# KiCad board Mainboard.kicad_pcb (continued)
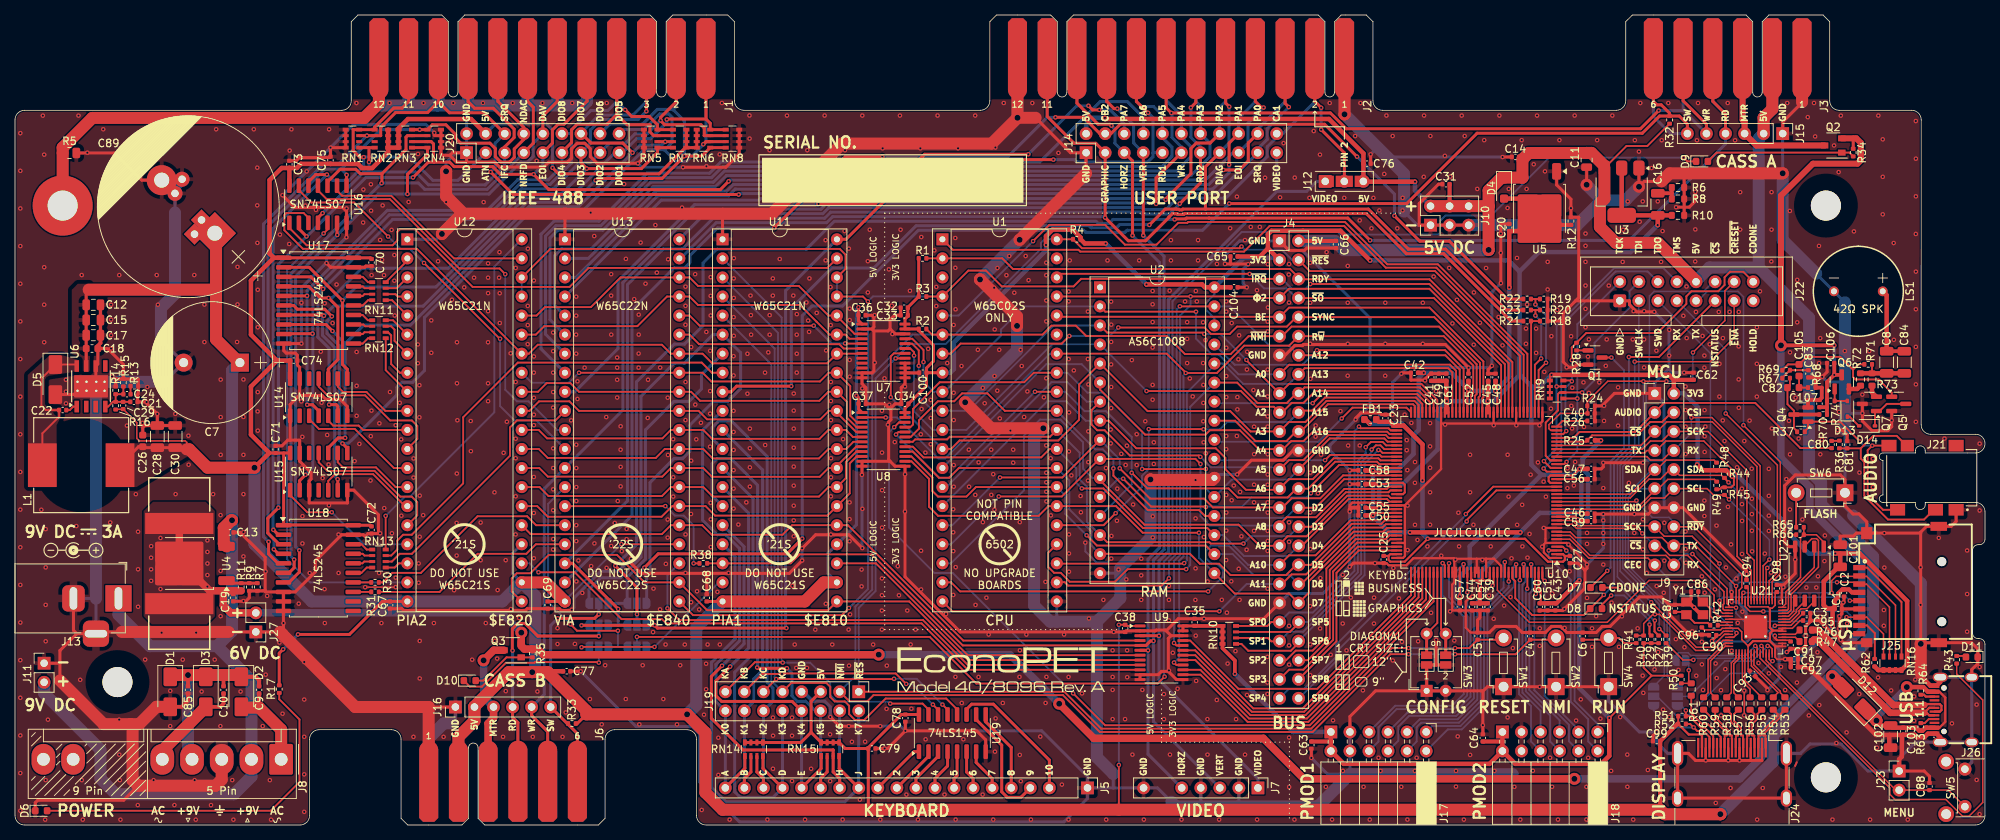
[diagram p0: board, top side]
## Library data of the parts (continued)
D13 D14 = -: Datasheet: https://www.lcsc.com/datasheet/lcsc_datasheet_1810101110_Jiangsu-Changjing-Electronics-Technology-Co---Ltd--1N4148WS_C2128.pdf; Description: 75V 0.15A Fast switching Diode, SOD-323; Sim.Device: D; Sim.Pins: 1=K 2=A; Sim.Params: rs=50m cjo=10p; LCSC: C2128; ki_fp_filters: D*SOD?323*
FB1 = -: Datasheet: https://www.lcsc.com/datasheet/lcsc_datasheet_2310301640_Sunlord-GZ1608D601TF_C1002.pdf; LCSC: C1002; ki_fp_filters: Inductor_* L_* *Ferrite*
H1 = -: ki_fp_filters: MountingHole*Pad*
H2-H4 = -: ki_fp_filters: MountingHole*
HS1 = -: Datasheet: http://www.assmann-wsw.com/uploads/datasheets/ASS_0855_HS.pdf; DIGI-KEY: AE10775-ND; MOUSER: 532-573100D00000G; ki_fp_filters: Heatsink_*
J1-J3 J6 = -: ki_fp_filters: Connector*:*_2x??_*
J4 = -: Datasheet: https://cdn.amphenol-cs.com/media/wysiwyg/files/documentation/datasheet/boardwiretoboard/bwb_econostik_254headers.pdf; MOUSER: 649-1012938195002BLF; ki_fp_filters: Connector*:*_2x??_*
J5 J7 = -: MOUSER: 649-1012937893603BLF; ki_fp_filters: Connector*:*_1x??_*
J8 = -: Datasheet: https://www.te.com/commerce/DocumentDelivery/DDEController?Action=srchrtrv&DocNm=640384&DocType=Customer+Drawing&DocLang=English&PartCntxt=640384-9&DocFormat=pdf; MOUSER: 571-6403849; ki_fp_filters: Connector*:*_1x??_*
J9 J10 J14 J19 J20 = -: MOUSER: 649-1012938195002BLF; ki_fp_filters: Connector*:*_2x??_*
J11 J23 J27 = -: Description: Generic connector, single row, 01x02, script generated; MOUSER: 649-1012937891002BLF; ki_fp_filters: Connector*:*_1x??_*
J12 = -: Description: Generic connector, single row, 01x03, script generated; ki_fp_filters: Connector*:*_1x??_*
J13 = -: Datasheet: https://www.mouser.com/datasheet/2/222/KLDX_0202-334781.pdf; MOUSER: 806-KLDX-0202-B; ki_fp_filters: BarrelJack*
J15 J16 = -: Description: Generic connector, single row, 01x06, script generated; MOUSER: 649-1012937891002BLF; ki_fp_filters: Connector*:*_1x??_*
J17 J18 = -: Datasheet: https://www.we-online.com/components/products/datasheet/613012243121.pdf; MOUSER: 710-613012243121; ki_fp_filters: Connector*:*_2x??_*
J21 = -: Datasheet: https://www.mouser.com/datasheet/2/670/sj_43504_smt_tr-1779335.pdf; Alt-LCSC: C319101; MOUSER: 490-SJ-43504-SMT-TR
J22 = -: Datasheet: https://www.mouser.com/datasheet/2/445/61201621621-3087709.pdf; MOUSER: 710-61201621621; ki_fp_filters: Connector*:*_2x??_*
J24 = -: Datasheet: https://www.lcsc.com/datasheet/lcsc_datasheet_1811111311_BOOMELE-Boom-Precision-Elec-HDMI-001-19P_C138388.pdf; LCSC: C138388; ki_fp_filters: HDMI*A*
J25 = -: Datasheet: https://www.lcsc.com/datasheet/lcsc_datasheet_1912111437_SHOU-HAN-TF-PUSH_C393941.pdf; Description: Micro SD Card Socket with one card detection pin; LCSC: C393941; ki_fp_filters: microSD*
J26 = -: Datasheet: https://jlcpcb.com/api/file/downloadByFileSystemAccessId/8550723676069908480; LCSC: C165948; ki_fp_filters: USB*C*Receptacle*
JP1-JP9 = -: ki_fp_filters: SolderJumper*Open*
L1 = -: Datasheet: https://wmsc.lcsc.com/wmsc/upload/file/pdf/v2/lcsc/2111241930_SXN-Shun-Xiang-Nuo-Elec-SMDRI129-220MT_C2924827.pdf; Description: Inductor, small symbol; LCSC: C2924827; ki_fp_filters: Choke_* *Coil* Inductor_* L_*
LS1 = -: Datasheet: https://www.mouser.com/datasheet/2/334/AT-1220-TT-9-R-532252.pdf; MOUSER: 665-AT1220TT9R
Q1 = -: Datasheet: https://jlcpcb.com/api/file/downloadByFileSystemAccessId/8552894390268936192; Description: 0.2A Ic, 40V Vce, Small Signal NPN Transistor, SOT-23; LCSC: C20526; ki_fp_filters: SOT?23*
Q2 Q3 = -: Datasheet: https://jlcpcb.com/api/file/downloadByFileSystemAccessId/8553305450243108864; Description: -4.0A Id, -30V Vds, P-Channel MOSFET, SOT-23; LCSC: C15127; ki_fp_filters: SOT?23*
Q4-Q6 = -: Datasheet: https://www.lcsc.com/datasheet/lcsc_datasheet_2303221100_Jiangsu-Changjing-Electronics-Technology-Co---Ltd--SS8050-RANGE-200-350_C2150.pdf; Description: General Purpose NPN Transistor, 1.5A Ic, 25V Vce, SOT-23; LCSC: C2150; ki_fp_filters: SOT?23*
Q7 = -: Datasheet: https://www.lcsc.com/datasheet/lcsc_datasheet_1810161212_Jiangsu-Changjing-Electronics-Technology-Co---Ltd--SS8550-Y2-RANGE-200-350_C8542.pdf; Description: General Purpose PNP Transistor, 1.5A Ic, 25V Vce, SOT-23; LCSC: C8542; ki_fp_filters: SOT?23*
R1-R4 R40 = -: Datasheet: https://www.lcsc.com/datasheet/lcsc_datasheet_2206010045_UNI-ROYAL-Uniroyal-Elec-0402WGF4701TCE_C25900.pdf; LCSC: C25900; ki_fp_filters: R_*
R5 = -: Datasheet: https://www.lcsc.com/datasheet/lcsc_datasheet_2205311830_UNI-ROYAL-Uniroyal-Elec-0805W8F680JT5E_C17802.pdf; LCSC: C17802; ki_fp_filters: R_*
R6 R8 = -: Datasheet: https://jlcpcb.com/api/file/downloadByFileSystemAccessId/8578255895094087680; LCSC: C21189; ki_fp_filters: R_*
R7 R17 R34 R35 R67 R69 = -: Datasheet: https://www.lcsc.com/datasheet/lcsc_datasheet_2206010045_UNI-ROYAL-Uniroyal-Elec-0402WGF1501TCE_C25867.pdf; LCSC: C25867; ki_fp_filters: R_*
R9 = -: Datasheet: https://www.lcsc.com/datasheet/lcsc_datasheet_2206010045_UNI-ROYAL-Uniroyal-Elec-0402WGF5101TCE_C25905.pdf; LCSC: C25905; ki_fp_filters: R_*
R10 = -: Datasheet: https://www.lcsc.com/datasheet/lcsc_datasheet_2206010116_UNI-ROYAL-Uniroyal-Elec-0603WAF3300T5E_C23138.pdf; LCSC: C23138; ki_fp_filters: R_*
R11 = -: Datasheet: https://www.lcsc.com/datasheet/lcsc_datasheet_2205311900_UNI-ROYAL-Uniroyal-Elec-0402WGF3000TCE_C25102.pdf; LCSC: C25102; ki_fp_filters: R_*
R12 = -: Datasheet: https://www.lcsc.com/datasheet/lcsc_datasheet_2205311900_UNI-ROYAL-Uniroyal-Elec-0402WGF1200TCE_C25079.pdf; LCSC: C25079; ki_fp_filters: R_*
R13 = -: Datasheet: https://www.lcsc.com/datasheet/lcsc_datasheet_2205311900_UNI-ROYAL-Uniroyal-Elec-0402WGF2200TCE_C25091.pdf; Description: Resistor, small symbol; LCSC: C25091; ki_fp_filters: R_*
R14 R16 = -: Datasheet: https://jlcpcb.com/api/file/downloadByFileSystemAccessId/8556212101498380288; Description: Resistor, small symbol; LCSC: C25744; ki_fp_filters: R_*
R15 = -: Datasheet: https://www.lcsc.com/datasheet/lcsc_datasheet_2206010045_UNI-ROYAL-Uniroyal-Elec-0402WGF4701TCE_C25900.pdf; Description: Resistor, small symbol; LCSC: C25900; ki_fp_filters: R_*
R18-R20 R25 R32 R33 R39 R62 R66 R70 = -: Datasheet: https://jlcpcb.com/api/file/downloadByFileSystemAccessId/8556212101498380288; LCSC: C25744; ki_fp_filters: R_*
R21-R23 = -: Datasheet: https://www.lcsc.com/datasheet/lcsc_datasheet_2206010045_UNI-ROYAL-Uniroyal-Elec-0402WGF5601TCE_C25908.pdf; LCSC: C25908; ki_fp_filters: R_*
R24 R28 R71 = -: Datasheet: https://www.lcsc.com/datasheet/lcsc_datasheet_2206010100_UNI-ROYAL-Uniroyal-Elec-0402WGF1003TCE_C25741.pdf; LCSC: C25741; ki_fp_filters: R_*
R26 R36 = -: Datasheet: https://www.lcsc.com/datasheet/lcsc_datasheet_2206010100_UNI-ROYAL-Uniroyal-Elec-0402WGF1202TCE_C25752.pdf; LCSC: C25752; ki_fp_filters: R_*
R27 R29 R41-R43 R65 R74 = -: Datasheet: https://www.lcsc.com/datasheet/lcsc_datasheet_2206010216_UNI-ROYAL-Uniroyal-Elec-0402WGF1001TCE_C11702.pdf; LCSC: C11702; ki_fp_filters: R_*
R30 R31 R38 = -: Datasheet: https://www.lcsc.com/datasheet/lcsc_datasheet_2205311900_UNI-ROYAL-Uniroyal-Elec-0402WGF4700TCE_C25117.pdf; LCSC: C25117; ki_fp_filters: R_*
R37 = -: Datasheet: https://www.lcsc.com/datasheet/lcsc_datasheet_2206010100_UNI-ROYAL-Uniroyal-Elec-0402WGF2202TCE_C25768.pdf; LCSC: C25768; ki_fp_filters: R_*
R44 R45 R48-R52 = -: Datasheet: https://www.lcsc.com/datasheet/lcsc_datasheet_2206010045_UNI-ROYAL-Uniroyal-Elec-0402WGF2201TCE_C25879.pdf; LCSC: C25879; ki_fp_filters: R_*
R46 R47 = -: Datasheet: https://www.lcsc.com/datasheet/lcsc_datasheet_2205311845_UNI-ROYAL-Uniroyal-Elec-0603WAF270JT5E_C25190.pdf; LCSC: C25190; ki_fp_filters: R_*
R53-R61 = -: Datasheet: https://www.lcsc.com/datasheet/lcsc_datasheet_2206010130_UNI-ROYAL-Uniroyal-Elec-0603WAF2700T5E_C22966.pdf; LCSC: C22966; ki_fp_filters: R_*
R63 R64 = -: Datasheet: https://www.lcsc.com/datasheet/lcsc_datasheet_2206010100_UNI-ROYAL-Uniroyal-Elec-0402WGF5602TCE_C25796.pdf; LCSC: C25796; ki_fp_filters: R_*
R68 = -: Datasheet: https://www.lcsc.com/datasheet/lcsc_datasheet_2205311900_UNI-ROYAL-Uniroyal-Elec-0402WGF6800TCE_C25130.pdf; LCSC: C25130; ki_fp_filters: R_*
R72 R73 = -: Datasheet: https://www.lcsc.com/datasheet/lcsc_datasheet_2206010130_UNI-ROYAL-Uniroyal-Elec-0603WAF1004T5E_C22935.pdf; Description: Resistor, small symbol; LCSC: C22936; ki_fp_filters: R_*
RN1 RN4 RN5 RN8-RN10 RN14-RN16 = -: Datasheet: https://www.lcsc.com/datasheet/lcsc_datasheet_2304140030_UNI-ROYAL-Uniroyal-Elec-4D03WGJ0103T5E_C29718.pdf; Description: 4 resistor network, parallel topology; LCSC: C29718; ki_fp_filters: DIP* SOIC* R*Array*Concave* R*Array*Convex* MSOP*
RN2 RN3 RN6 RN7 = -: Datasheet: https://www.lcsc.com/datasheet/lcsc_datasheet_2304140030_UNI-ROYAL-Uniroyal-Elec-4D03WGJ0472T5E_C1980.pdf; Description: 4 resistor network, parallel topology; LCSC: C1980; ki_fp_filters: DIP* SOIC* R*Array*Concave* R*Array*Convex* MSOP*
RN11-RN13 = -: Datasheet: https://jlcpcb.com/api/file/downloadByFileSystemAccessId/8557935083618123776; Description: 4 resistor network, parallel topology; LCSC: C25510; ki_fp_filters: DIP* SOIC* R*Array*Concave* R*Array*Convex* MSOP*
SW1 SW2 SW4 SW6 = -: Alt-LCSC: C457531; Amazon: https://smile.amazon.com/dp/B008DS188Y; MOUSER: 611-PTS636SK43LFS
SW3 = -: MOUSER: 490-DS04-254-1L-02BK; ki_fp_filters: SW?DIP?x2*
SW5 = -: Datasheet: https://www.mouser.com/datasheet/2/26/APPMS00088_1-2538152.pdf; AliExpress: https://www.aliexpress.us/item/2251832705063661.html; MOUSER: 642-MJTP1117
SYM1 SYM4 = -: Description: Filled arrow, 160mil; Sim.Enable: 0
SYM2 SYM5 = -: Description: Filled arrow, 160mil
U1 = -: Datasheet: https://www.mouser.com/datasheet/2/436/w65c02s-2572.pdf; MOUSER: 955-W65C02S6TPG-14,571-1-2199299-5; ki_fp_filters: DIP-40_W15.24mm*
U2 = -: Datasheet: https://www.mouser.com/datasheet/2/12/AS6C1008feb2007-1511508.pdf; MOUSER: 913-AS6C1008-55PCN,649-DILB32P223TLF; ki_fp_filters: DIP*W15.24mm*
U3 = -: Datasheet: https://www.ti.com/cn/lit/gpn/tlv1117lv; Description: 1A Low Dropout regulator, positive, 3.3V fixed output, SOT-223; LCSC: C15578; ki_fp_filters: SOT?223*TabPin2*
U4 U5 = -: Datasheet: https://www.lcsc.com/datasheet/lcsc_datasheet_2304140030_UTC-Unisonic-Tech-LM317AG-TN3-R_C75510.pdf; LCSC: C75510; ki_fp_filters: TO?252*
U6 = -: Datasheet: https://www.lcsc.com/datasheet/lcsc_datasheet_1811081920_Texas-Instruments-TPS5430DDAR_C9864.pdf; Description: 3A, Step Down Swift Converter, Adjustable Output Voltage, 5.5-36V Input Voltage, PowerSO-8; LCSC: C9864; ki_fp_filters: TI*SO*PowerPAD*ThermalVias*
U7-U9 = -: Datasheet: https://www.lcsc.com/datasheet/lcsc_datasheet_1809192324_Texas-Instruments-SN74LVC4245APWR_C7859.pdf; LCSC: C7859; ki_fp_filters: TSSOP*4.4x7.8mm*P0.65mm*
U10 = -: DIGI-KEY: 2134-T8Q144C3-ND; LCSC: C3278392
U11 U12 = -: Datasheet: https://www.mouser.com/datasheet/2/436/w65c21-661.pdf; MOUSER: 955-W65C21N6TPG-14,571-1-2199299-5; ki_fp_filters: DIP-40_W15.24mm*
U13 = -: Datasheet: https://www.mouser.com/datasheet/2/436/w65c22-1197.pdf; MOUSER: 955-W65C22N6TPG-14,571-1-2199299-5; ki_fp_filters: DIP-40_W15.24mm*
U14-U16 = -: Datasheet: https://www.lcsc.com/datasheet/lcsc_datasheet_2404261406_XINLUDA-XL74LS07_C513513.pdf; LCSC: C513513
U17 U18 = -: Datasheet: https://www.lcsc.com/datasheet/lcsc_datasheet_1810010228_Texas-Instruments-SN74LS245DWR_C129580.pdf; LCSC: C129580; ki_fp_filters: DIP?20*
U19 = -: Datasheet: https://www.lcsc.com/datasheet/lcsc_datasheet_1809051911_Texas-Instruments-SN74LS145DR_C60829.pdf; LCSC: C60829; ki_fp_filters: DIP?16*
U21 = -: Datasheet: https://jlcpcb.com/api/file/downloadByFileSystemAccessId/8550723933012836352; LCSC: C2040
U22 = -: Datasheet: https://jlcpcb.com/api/file/downloadByFileSystemAccessId/8560111703904829441; Description: 128Mb Serial Flash Memory, Standard/Dual/Quad SPI, SOIC-8; LCSC: C97521; ki_fp_filters: SOIC*5.23x5.23mm*P1.27mm*
Y1 = -: Datasheet: https://www.lcsc.com/datasheet/lcsc_datasheet_2403291504_YXC-Crystal-Oscillators-X322512MSB4SI_C9002.pdf; LCSC: C9002; ki_fp_filters: Crystal*

## Footprints (pads in the part's own frame, mm; a bottom-side part is the same pattern mirrored in y, then rotated)
APEM_MJTP1117
  round 2.1 hole 1.3: (-1,-2.5) (6,-2.5)
  round 1.75 hole 1: 1(0,0) 2(5,0)
AT1220TT9R
  round 1.3 hole 0.8: 1(0,0) 2(0,-6.5)
BarrelJack_Horizontal
  rect 3.5x3.5 hole 1x3: 1(0,0)
  rrect 3x3.5 hole 1x3: 2(-6,0)
  rrect 3.5x3.5 hole 3x1: 3(-3,-4.7)
C_0402_1005Metric
  rrect 0.56x0.62 smd: 1(-0.48,0) 2(0.48,0)
C_0603_1608Metric
  rrect 0.9x0.95 smd: 1(-0.775,0) 2(0.775,0)
C_0805_2012Metric
  rrect 1x1.45 smd: 1(-0.95,0) 2(0.95,0)
C_1206_3216Metric
  rrect 1.15x1.8 smd: 1(-1.475,0) 2(1.475,0)
CBM_PET_CASS_EDGE_CON_12P
  custom 2.54x10.8 smd: 1,A(19.812,1.468) 2,B(15.85,1.468) 3,C(11.887,1.468) 4,D(7.925,1.468) 5,E(3.962,1.468) 6,F(0,1.468)
  custom 2.54x10.8 smd far side: 1,A(19.812,1.468) 2,B(15.85,1.468) 3,C(11.887,1.468) 4,D(7.925,1.468) 5,E(3.962,1.468) 6,F(0,1.468)
CBM_PET_IEEE_EDGE_CON_24P
  custom 2.54x10.8 smd: 1(43.586,1.468) 2(39.624,1.468) 3(35.662,1.468) 4(31.699,1.468) 5(27.737,1.468) 6(23.774,1.468) 7(19.812,1.468) 8(15.85,1.468) 9(11.887,1.468) 10(7.925,1.468) 11(3.962,1.468) 12(0,1.468)
  custom 2.54x10.8 smd far side: A(43.586,1.468) B(39.624,1.468) C(35.662,1.468) D(31.699,1.468) E(27.737,1.468) F(23.774,1.468) H(19.812,1.468) J(15.85,1.468) K(11.887,1.468) L(7.925,1.468) M(3.962,1.468) N(0,1.468)
CBM_PET_KEYBOARD_KEYED_20P
  rect 1.7x1.7 hole 1: 1(0,0)
  oval 1.7x1.7 hole 1: 3(0,-5.08) 4(0,-7.62) 5(0,-10.16) 6(0,-12.7) 7(0,-15.24) 8(0,-17.78) 9(0,-20.32) 10(0,-22.86) 11(0,-25.4) 12(0,-27.94) 13(0,-30.48) 14(0,-33.02) 15(0,-35.56) 16(0,-38.1) 17(0,-40.64) 18(0,-43.18) 19(0,-45.72) 20(0,-48.26)
CBM_PET_USER_EDGE_CON_24P
  custom 2.54x10.8 smd: 1(43.586,1.468) 2(39.624,1.468) 3(35.662,1.468) 4(31.699,1.468) 5(27.737,1.468) 6(23.774,1.468) 7(19.812,1.468) 8(15.85,1.468) 9(11.887,1.468) 10(7.925,1.468) 11(3.962,1.468) 12(0,1.468)
  custom 2.54x10.8 smd far side: A(43.586,1.468) B(39.624,1.468) C(35.662,1.468) D(31.699,1.468) E(27.737,1.468) F(23.774,1.468) H(19.812,1.468) J(15.85,1.468) K(11.887,1.468) L(7.925,1.468) M(3.962,1.468) N(0,1.468)
CP_Radial_D16.0mm_P7.50mm
  rect 2.4x2.4 hole 1.2: 1(0,0)
  round 2.4 hole 1.2: 2(7.5,0)
CP_Radial_D24.0mm_P5.00mm_P7.50mm_P10.00mm_SnapIn
  rect 4x4 hole 2: 1(0,0)
  rect 2x2 hole 1: 1(1.828,2) 1(2.5,0)
  round 2 hole 1: 2(7.5,0) 2(8.172,-2)
  round 4 hole 2: 2(10,0)
Crystal_SMD_3225-4Pin_3.2x2.5mm
  rect 1.4x1.2 smd: 1(-1.1,-0.85) 2(1.1,-0.85) 3(1.1,0.85) 4(-1.1,0.85)
CUI_SJ-43504-SMT-TR
  rect 1.55x2 smd: 1(-0.1,0) 3(-0.1,2.75) 4(8.45,0) 5(8.45,8.95) 6(-0.1,7.8)
  rect 1.55x1.75 smd: 2(8.45,6.5)
D_SMA
  rrect 2.5x1.8 smd: 1(-2,0) 2(2,0)
D_SOD-123F
  rrect 1.1x1.1 smd: 1(-1.4,0) 2(1.4,0)
D_SOD-323
  rrect 0.6x0.45 smd: 1(-1.05,0) 2(1.05,0)
DIP-32_W15.24mm_Socket
  rect 1.6x1.6 hole 0.8: 1(0,0)
  oval 1.6x1.6 hole 0.8: 2(0,-2.54) 3(0,-5.08) 4(0,-7.62) 5(0,-10.16) 6(0,-12.7) 7(0,-15.24) 8(0,-17.78) 9(0,-20.32) 10(0,-22.86) 11(0,-25.4) 12(0,-27.94) 13(0,-30.48) 14(0,-33.02) 15(0,-35.56) 16(0,-38.1) 17(15.24,-38.1) 18(15.24,-35.56) 19(15.24,-33.02) 20(15.24,-30.48) 21(15.24,-27.94) 22(15.24,-25.4) 23(15.24,-22.86) 24(15.24,-20.32) 25(15.24,-17.78) 26(15.24,-15.24) 27(15.24,-12.7) 28(15.24,-10.16) 29(15.24,-7.62) 30(15.24,-5.08) 31(15.24,-2.54) 32(15.24,0)
DIP-40_W15.24mm_Socket
  rect 1.6x1.6 hole 0.8: 1(0,0)
  oval 1.6x1.6 hole 0.8: 2(0,-2.54) 3(0,-5.08) 4(0,-7.62) 5(0,-10.16) 6(0,-12.7) 7(0,-15.24) 8(0,-17.78) 9(0,-20.32) 10(0,-22.86) 11(0,-25.4) 12(0,-27.94) 13(0,-30.48) 14(0,-33.02) 15(0,-35.56) 16(0,-38.1) 17(0,-40.64) 18(0,-43.18) 19(0,-45.72) 20(0,-48.26) 21(15.24,-48.26) 22(15.24,-45.72) 23(15.24,-43.18) 24(15.24,-40.64) 25(15.24,-38.1) 26(15.24,-35.56) 27(15.24,-33.02) 28(15.24,-30.48) 29(15.24,-27.94) 30(15.24,-25.4) 31(15.24,-22.86) 32(15.24,-20.32) 33(15.24,-17.78) 34(15.24,-15.24) 35(15.24,-12.7) 36(15.24,-10.16) 37(15.24,-7.62) 38(15.24,-5.08) 39(15.24,-2.54) 40(15.24,0)
HDMI_A_Molex_208658-1001_Horizontal
  rect 2.6x0.3 smd: 1(-3.285,4.5) 2(-3.285,4) 3(-3.285,3.5) 4(-3.285,3) 5(-3.285,2.5) 6(-3.285,2) 7(-3.285,1.5) 8(-3.285,1) 9(-3.285,0.5) 10(-3.285,0) 11(-3.285,-0.5) 12(-3.285,-1) 13(-3.285,-1.5) 14(-3.285,-2) 15(-3.285,-2.5) 16(-3.285,-3) 17(-3.285,-3.5) 18(-3.285,-4) 19(-3.285,-4.5)
  oval 3.3x1.5 hole 2.7x0.9: SH(-2.525,7.25) SH(-2.525,-7.25)
  oval 2.3x1.5 hole 1.7x0.9: SH(3.435,7.25) SH(3.435,-7.25)
IDC-Header_2x08_P2.54mm_Vertical
  rrect 1.7x1.7 hole 1: 1(0,0)
  round 1.7 hole 1: 2(2.54,0) 3(0,-2.54) 4(2.54,-2.54) 5(0,-5.08) 6(2.54,-5.08) 7(0,-7.62) 8(2.54,-7.62) 9(0,-10.16) 10(2.54,-10.16) 11(0,-12.7) 12(2.54,-12.7) 13(0,-15.24) 14(2.54,-15.24) 15(0,-17.78) 16(2.54,-17.78)
IND-SMD_L12.5-W12.5
  rect 3.824x5.82 smd: 1(5.178,0) 2(-5.178,0)
L_0603_1608Metric
  rrect 0.875x0.95 smd: 1(-0.787,0) 2(0.787,0)
LED_0603_1608Metric
  rrect 0.875x0.95 smd: 1(-0.787,0) 2(0.787,0)
LQFN-56_L7.0-W7.0-P0.4-EP
  rrect 1.084x1.084 smd: (-0.637,0.638) (-0.637,-0.637) (0.637,0.638) (0.637,-0.637)
  rect 1.1x0.2 smd: 1(-3.55,2.6) 2(-3.55,2.2) 3(-3.55,1.8) 4(-3.55,1.4) 5(-3.55,1) 6(-3.55,0.6) 7(-3.55,0.2) 8(-3.55,-0.2) 9(-3.55,-0.6) 10(-3.55,-1) 11(-3.55,-1.4) 12(-3.55,-1.8) 13(-3.55,-2.2) 14(-3.55,-2.6) 29(3.55,-2.6) 30(3.55,-2.2) 31(3.55,-1.8) 32(3.55,-1.4) 33(3.55,-1) 34(3.55,-0.6) 35(3.55,-0.2) 36(3.55,0.2) 37(3.55,0.6) 38(3.55,1) 39(3.55,1.4) 40(3.55,1.8) 41(3.55,2.2) 42(3.55,2.6)
  rect 0.2x1.1 smd: 15(-2.6,-3.55) 16(-2.2,-3.55) 17(-1.8,-3.55) 18(-1.4,-3.55) 19(-1,-3.55) 20(-0.6,-3.55) 21(-0.2,-3.55) 22(0.2,-3.55) 23(0.6,-3.55) 24(1,-3.55) 25(1.4,-3.55) 26(1.8,-3.55) 27(2.2,-3.55) 28(2.6,-3.55) 43(2.6,3.55) 44(2.2,3.55) 45(1.8,3.55) 46(1.4,3.55) 47(1,3.55) 48(0.6,3.55) 49(0.2,3.55) 50(-0.2,3.55) 51(-0.6,3.55) 52(-1,3.55) 53(-1.4,3.55) 54(-1.8,3.55) 55(-2.2,3.55) 56(-2.6,3.55)
  round 0.5 hole 0.3: 57(-1.275,1.275) 57(-1.275,-1.275) 57(1.275,1.275) 57(1.275,-1.275)
  rect 3.1x3.1 smd: 57(0,0)
LQFP-144_20x20mm_P0.5mm
  rrect 1.475x0.3 smd: 1(-10.662,8.75) 2(-10.662,8.25) 3(-10.662,7.75) 4(-10.662,7.25) 5(-10.662,6.75) 6(-10.662,6.25) 7(-10.662,5.75) 8(-10.662,5.25) 9(-10.662,4.75) 10(-10.662,4.25) 11(-10.662,3.75) 12(-10.662,3.25) 13(-10.662,2.75) 14(-10.662,2.25) 15(-10.662,1.75) 16(-10.662,1.25) 17(-10.662,0.75) 18(-10.662,0.25) 19(-10.662,-0.25) 20(-10.662,-0.75) 21(-10.662,-1.25) 22(-10.662,-1.75) 23(-10.662,-2.25) 24(-10.662,-2.75) 25(-10.662,-3.25) 26(-10.662,-3.75) 27(-10.662,-4.25) 28(-10.662,-4.75) 29(-10.662,-5.25) 30(-10.662,-5.75) 31(-10.662,-6.25) 32(-10.662,-6.75) 33(-10.662,-7.25) 34(-10.662,-7.75) 35(-10.662,-8.25) 36(-10.662,-8.75) 73(10.662,-8.75) 74(10.662,-8.25) 75(10.662,-7.75) 76(10.662,-7.25) 77(10.662,-6.75) 78(10.662,-6.25) 79(10.662,-5.75) 80(10.662,-5.25) 81(10.662,-4.75) 82(10.662,-4.25) 83(10.662,-3.75) 84(10.662,-3.25) 85(10.662,-2.75) 86(10.662,-2.25) 87(10.662,-1.75) 88(10.662,-1.25) 89(10.662,-0.75) 90(10.662,-0.25) 91(10.662,0.25) 92(10.662,0.75) 93(10.662,1.25) 94(10.662,1.75) 95(10.662,2.25) 96(10.662,2.75) 97(10.662,3.25) 98(10.662,3.75) 99(10.662,4.25) 100(10.662,4.75) 101(10.662,5.25) 102(10.662,5.75) 103(10.662,6.25) 104(10.662,6.75) 105(10.662,7.25) 106(10.662,7.75) 107(10.662,8.25) 108(10.662,8.75)
  rrect 0.3x1.475 smd: 37(-8.75,-10.662) 38(-8.25,-10.662) 39(-7.75,-10.662) 40(-7.25,-10.662) 41(-6.75,-10.662) 42(-6.25,-10.662) 43(-5.75,-10.662) 44(-5.25,-10.662) 45(-4.75,-10.662) 46(-4.25,-10.662) 47(-3.75,-10.662) 48(-3.25,-10.662) 49(-2.75,-10.662) 50(-2.25,-10.662) 51(-1.75,-10.662) 52(-1.25,-10.662) 53(-0.75,-10.662) 54(-0.25,-10.662) 55(0.25,-10.662) 56(0.75,-10.662) 57(1.25,-10.662) 58(1.75,-10.662) 59(2.25,-10.662) 60(2.75,-10.662) 61(3.25,-10.662) 62(3.75,-10.662) 63(4.25,-10.662) 64(4.75,-10.662) 65(5.25,-10.662) 66(5.75,-10.662) 67(6.25,-10.662) 68(6.75,-10.662) 69(7.25,-10.662) 70(7.75,-10.662) 71(8.25,-10.662) 72(8.75,-10.662) 109(8.75,10.662) 110(8.25,10.662) 111(7.75,10.662) 112(7.25,10.662) 113(6.75,10.662) 114(6.25,10.662) 115(5.75,10.662) 116(5.25,10.662) 117(4.75,10.662) 118(4.25,10.662) 119(3.75,10.662) 120(3.25,10.662) 121(2.75,10.662) 122(2.25,10.662) 123(1.75,10.662) 124(1.25,10.662) 125(0.75,10.662) 126(0.25,10.662) 127(-0.25,10.662) 128(-0.75,10.662) 129(-1.25,10.662) 130(-1.75,10.662) 131(-2.25,10.662) 132(-2.75,10.662) 133(-3.25,10.662) 134(-3.75,10.662) 135(-4.25,10.662) 136(-4.75,10.662) 137(-5.25,10.662) 138(-5.75,10.662) 139(-6.25,10.662) 140(-6.75,10.662) 141(-7.25,10.662) 142(-7.75,10.662) 143(-8.25,10.662) 144(-8.75,10.662)
MountingHole_4mm_Pad
  round 8 hole 4: 1(0,0)
PET_MountingHole_4mm
  round 4 hole 4 unplated: (0,0)
PET_POWER_Molex_KK-396_A-41791-0009_1x09_P3.96mm_Vertical
  rrect 3.16x4.1 hole 1.7: 1(0,0)
  oval 3.16x4.1 hole 1.7: 2(3.96,0) 3(7.92,0) 4(11.88,0) 5(15.84,0) 8(27.72,0) 9(31.68,0)
PET_Video
  rect 1.7x1.7 hole 1: 1(0,0)
  oval 1.7x1.7 hole 1: 2(0,-2.54) 3(0,-5.08) 4(0,-7.62) 5(0,-10.16) 7(0,-15.24)
PinHeader_1x02_P2.54mm_Vertical
  rect 1.7x1.7 hole 1: 1(0,0)
  oval 1.7x1.7 hole 1: 2(0,-2.54)
PinHeader_1x03_P2.54mm_Vertical_or_SolderJumper
  rect 1.7x1.7 hole 1: 1(0,0)
  rect 1.5x2 smd: 1(0,-0.15)
  oval 1.7x1.7 hole 1: 2(0,-2.54) 3(0,-5.08)
  rect 1.5x2.28 smd: 2(0,-2.54)
  rect 1.5x1.545 smd: 3(0,-4.702)
PinHeader_1x06_P2.54mm_Vertical
  rect 1.7x1.7 hole 1: 1(0,0)
  oval 1.7x1.7 hole 1: 2(0,-2.54) 3(0,-5.08) 4(0,-7.62) 5(0,-10.16) 6(0,-12.7)
PinHeader_2x03_P2.54mm_Vertical
  rect 1.7x1.7 hole 1: 1(0,0)
  oval 1.7x1.7 hole 1: 2(2.54,0) 3(0,-2.54) 4(2.54,-2.54) 5(0,-5.08) 6(2.54,-5.08)
PinHeader_2x08_P2.54mm_Vertical
  rect 1.7x1.7 hole 1: 1(0,0)
  oval 1.7x1.7 hole 1: 2(2.54,0) 3(0,-2.54) 4(2.54,-2.54) 5(0,-5.08) 6(2.54,-5.08) 7(0,-7.62) 8(2.54,-7.62) 9(0,-10.16) 10(2.54,-10.16) 11(0,-12.7) 12(2.54,-12.7) 13(0,-15.24) 14(2.54,-15.24) 15(0,-17.78) 16(2.54,-17.78)
PinHeader_2x09_P2.54mm_Vertical
  rect 1.7x1.7 hole 1: 1(0,0)
  oval 1.7x1.7 hole 1: 2(2.54,0) 3(0,-2.54) 4(2.54,-2.54) 5(0,-5.08) 6(2.54,-5.08) 7(0,-7.62) 8(2.54,-7.62) 9(0,-10.16) 10(2.54,-10.16) 11(0,-12.7) 12(2.54,-12.7) 13(0,-15.24) 14(2.54,-15.24) 15(0,-17.78) 16(2.54,-17.78) 17(0,-20.32) 18(2.54,-20.32)
PinHeader_2x10_P2.54mm_Vertical
  rect 1.7x1.7 hole 1: 1(0,0)
  oval 1.7x1.7 hole 1: 2(2.54,0) 3(0,-2.54) 4(2.54,-2.54) 5(0,-5.08) 6(2.54,-5.08) 7(0,-7.62) 8(2.54,-7.62) 9(0,-10.16) 10(2.54,-10.16) 11(0,-12.7) 12(2.54,-12.7) 13(0,-15.24) 14(2.54,-15.24) 15(0,-17.78) 16(2.54,-17.78) 17(0,-20.32) 18(2.54,-20.32) 19(0,-22.86) 20(2.54,-22.86)
PinHeader_2x11_P2.54mm_Vertical
  rect 1.7x1.7 hole 1: 1(0,0)
  oval 1.7x1.7 hole 1: 2(2.54,0) 3(0,-2.54) 4(2.54,-2.54) 5(0,-5.08) 6(2.54,-5.08) 7(0,-7.62) 8(2.54,-7.62) 9(0,-10.16) 10(2.54,-10.16) 11(0,-12.7) 12(2.54,-12.7) 13(0,-15.24) 14(2.54,-15.24) 15(0,-17.78) 16(2.54,-17.78) 17(0,-20.32) 18(2.54,-20.32) 19(0,-22.86) 20(2.54,-22.86) 21(0,-25.4) 22(2.54,-25.4)
PinHeader_2x25_P2.54mm_Vertical
  rect 1.7x1.7 hole 1: 1(0,0)
  oval 1.7x1.7 hole 1: 2(2.54,0) 3(0,-2.54) 4(2.54,-2.54) 5(0,-5.08) 6(2.54,-5.08) 7(0,-7.62) 8(2.54,-7.62) 9(0,-10.16) 10(2.54,-10.16) 11(0,-12.7) 12(2.54,-12.7) 13(0,-15.24) 14(2.54,-15.24) 15(0,-17.78) 16(2.54,-17.78) 17(0,-20.32) 18(2.54,-20.32) 19(0,-22.86) 20(2.54,-22.86) 21(0,-25.4) 22(2.54,-25.4) 23(0,-27.94) 24(2.54,-27.94) 25(0,-30.48) 26(2.54,-30.48) 27(0,-33.02) 28(2.54,-33.02) 29(0,-35.56) 30(2.54,-35.56) 31(0,-38.1) 32(2.54,-38.1) 33(0,-40.64) 34(2.54,-40.64) 35(0,-43.18) 36(2.54,-43.18) 37(0,-45.72) 38(2.54,-45.72) 39(0,-48.26) 40(2.54,-48.26) 41(0,-50.8) 42(2.54,-50.8) 43(0,-53.34) 44(2.54,-53.34) 45(0,-55.88) 46(2.54,-55.88) 47(0,-58.42) 48(2.54,-58.42) 49(0,-60.96) 50(2.54,-60.96)
PMOD_Socket_2x06_P2.54mm_Horizontal
  oval 1.7x1.7 hole 1: 1(0,0) 2(0,-2.54) 3(0,-5.08) 4(0,-7.62) 5(0,-10.16) 7(2.54,0) 8(2.54,-2.54) 9(2.54,-5.08) 10(2.54,-7.62) 11(2.54,-10.16) 12(2.54,-12.7)
  rect 1.7x1.7 hole 1: 6(0,-12.7)
R_0402_1005Metric
  rrect 0.54x0.64 smd: 1(-0.51,0) 2(0.51,0)
R_0603_1608Metric
  rrect 0.8x0.95 smd: 1(-0.825,0) 2(0.825,0)
R_0805_2012Metric
  rrect 1.025x1.4 smd: 1(-0.912,0) 2(0.912,0)
R_Array_Convex_4x0603
  rect 0.8x0.5 smd: 1(-0.9,1.2) 4(-0.9,-1.2) 5(0.9,-1.2) 8(0.9,1.2)
  rect 0.8x0.4 smd: 2(-0.9,0.4) 3(-0.9,-0.4) 6(0.9,-0.4) 7(0.9,0.4)
SOIC-8_5.23x5.23mm_P1.27mm
  rrect 1.6x0.6 smd: 1(-3.6,1.905) 2(-3.6,0.635) 3(-3.6,-0.635) 4(-3.6,-1.905) 5(3.6,-1.905) 6(3.6,-0.635) 7(3.6,0.635) 8(3.6,1.905)
SOIC-14_3.9x8.7mm_P1.27mm
  rrect 1.95x0.6 smd: 1(-2.475,3.81) 2(-2.475,2.54) 3(-2.475,1.27) 4(-2.475,0) 5(-2.475,-1.27) 6(-2.475,-2.54) 7(-2.475,-3.81) 8(2.475,-3.81) 9(2.475,-2.54) 10(2.475,-1.27) 11(2.475,0) 12(2.475,1.27) 13(2.475,2.54) 14(2.475,3.81)
SOIC-16_3.9x9.9mm_P1.27mm
  rrect 1.95x0.6 smd: 1(-2.475,4.445) 2(-2.475,3.175) 3(-2.475,1.905) 4(-2.475,0.635) 5(-2.475,-0.635) 6(-2.475,-1.905) 7(-2.475,-3.175) 8(-2.475,-4.445) 9(2.475,-4.445) 10(2.475,-3.175) 11(2.475,-1.905) 12(2.475,-0.635) 13(2.475,0.635) 14(2.475,1.905) 15(2.475,3.175) 16(2.475,4.445)
SOIC-20W_7.5x12.8mm_P1.27mm
  rrect 2.05x0.6 smd: 1(-4.65,5.715) 2(-4.65,4.445) 3(-4.65,3.175) 4(-4.65,1.905) 5(-4.65,0.635) 6(-4.65,-0.635) 7(-4.65,-1.905) 8(-4.65,-3.175) 9(-4.65,-4.445) 10(-4.65,-5.715) 11(4.65,-5.715) 12(4.65,-4.445) 13(4.65,-3.175) 14(4.65,-1.905) 15(4.65,-0.635) 16(4.65,0.635) 17(4.65,1.905) 18(4.65,3.175) 19(4.65,4.445) 20(4.65,5.715)
SolderJumper-2_P1.3mm_Open_RoundedPad1.0x1.5mm
  custom 1x1.5 smd: 1(-0.65,0) 2(0.65,0)
SolderJumper-3_P1.3mm_Open_RoundedPad1.0x1.5mm
  custom 1.05x1.5 smd: 1(-1.3,0) 3(1.3,0)
  rect 1x1.5 smd: 2(0,0)
SOT-23
  rrect 1.475x0.6 smd: 1(-0.938,0.95) 2(-0.938,-0.95) 3(0.938,0)
SOT-23_L2.9-W1.3-P1.90-LS2.4-BR
  rect 1x0.8 smd: 1(1.15,-0.95) 2(1.15,0.95) 3(-1.15,0)
SOT-223-3_TabPin2
  rrect 2x1.5 smd: 1(-3.15,2.3) 2(-3.15,0) 3(-3.15,-2.3)
  rrect 2x3.8 smd: 2(3.15,0)
SW_DIP_SPSTx02_Slide_6.7x6.64mm_W7.62mm_P2.54mm_LowProfile_or_SolderJumper
  rect 1.6x1.6 hole 0.8: 1(0,0)
  rect 1x1.5 smd: 1(3.45,0) 2(3.45,-2.54) 3(4.75,-2.54) 4(4.75,0)
  oval 1.6x1.6 hole 0.8: 2(0,-2.54) 3(7.62,-2.54) 4(7.62,0)
SW_PUSH_1P1T_6x3.5mm_H4.3_APEM_MJTP1243
  rect 2.25x2.25 hole 1.3: 1(0,0)
  round 2.25 hole 1.3: 2(6.5,0)
TF-SMD_TF-PUSH
  round 1.2 hole 1.2 unplated: (-5.075,-3.5) (2.925,-3.5)
  rect 0.7x1.6 smd: 1(2.125,7.5) 2(1.025,7.5) 3(-0.075,7.5) 4(-1.175,7.5) 5(-2.275,7.5) 6(-3.375,7.5) 7(-4.475,7.5) 8(-5.575,7.5) 9(-6.675,7.5)
  rect 1.2x1.5 smd: 10(-7.875,6.5)
  rect 1.2x2.2 smd: 10(-7.875,-3.1) 10(7.625,-3.1)
  rect 1.6x1.5 smd: 10(6.725,6.5)
TI_SO-PowerPAD-8_ThermalVias
  rect 1.55x0.6 smd: 1(-2.7,1.905) 2(-2.7,0.635) 3(-2.7,-0.635) 4(-2.7,-1.905) 5(2.7,-1.905) 6(2.7,-0.635) 7(2.7,0.635) 8(2.7,1.905)
  round 0.6 hole 0.3: 9(-0.6,1.8) 9(-0.6,0.6) 9(-0.6,-0.7) 9(-0.6,-1.8) 9(0.6,1.8) 9(0.6,0.6) 9(0.6,-0.7) 9(0.6,-1.8)
  rect 2.6x3.1 smd: 9(0,0)
  rect 2.95x4.5 smd: 9(0,0)
  rect 2.95x4.5 smd far side: 9(0,0)
TO-252-2
  rrect 2.2x1.2 smd: 1(-5.04,2.28) 3(-5.04,-2.28)
  rrect 3.05x2.75 smd: 2(-0.415,1.525) 2(-0.415,-1.525) 2(2.935,1.525) 2(2.935,-1.525)
  rrect 6.4x5.8 smd: 2(1.26,0)
TSSOP-24_4.4x7.8mm_P0.65mm
  rrect 1.475x0.4 smd: 1(-2.862,3.575) 2(-2.862,2.925) 3(-2.862,2.275) 4(-2.862,1.625) 5(-2.862,0.975) 6(-2.862,0.325) 7(-2.862,-0.325) 8(-2.862,-0.975) 9(-2.862,-1.625) 10(-2.862,-2.275) 11(-2.862,-2.925) 12(-2.862,-3.575) 13(2.862,-3.575) 14(2.862,-2.925) 15(2.862,-2.275) 16(2.862,-1.625) 17(2.862,-0.975) 18(2.862,-0.325) 19(2.862,0.325) 20(2.862,0.975) 21(2.862,1.625) 22(2.862,2.275) 23(2.862,2.925) 24(2.862,3.575)
USB-C_SMD-TYPE-C-31-M-12
  round 0.725 hole 0.725 unplated: (-2.901,2.516) (2.899,2.516)
  rect 0.6x1.3 smd: A1_B12(-3.201,3.784) A4_B9(-2.401,3.784) A9_B4(2.399,3.784) A12_B1(3.199,3.784)
  rect 0.3x1.3 smd: A5(-1.251,3.784) A6(-0.251,3.784) A7(0.249,3.784) A8(1.249,3.784) B5(1.749,3.784) B6(0.749,3.784) B7(-0.751,3.784) B8(-1.751,3.784)
  oval 1.2x2 hole 0.8x1.6: S1(-4.326,3.016) S1(4.324,3.016)
  oval 1.2x1.8 hole 0.8x1.4: S1(-4.326,-1.184) S1(4.324,-1.184)
V1100SMDBL_or_573100D00000G
  rect 2.81x9.1 smd: 1(-5.345,0) 1(5.345,0)

## Nets
+1V2: C20.1 C39.1 C42.1 C44.1 C46.1 C48.1 C50.1 C52.1 C54.1 C56.1 C58.1 D4.2 FB1.2 R12.1 U5.2 U10.13 U10.22 U10.49 U10.57 U10.85 U10.96 U10.125 U10.128 U10.130
